# KiCad board poly_kb.kicad_pcb (continued)
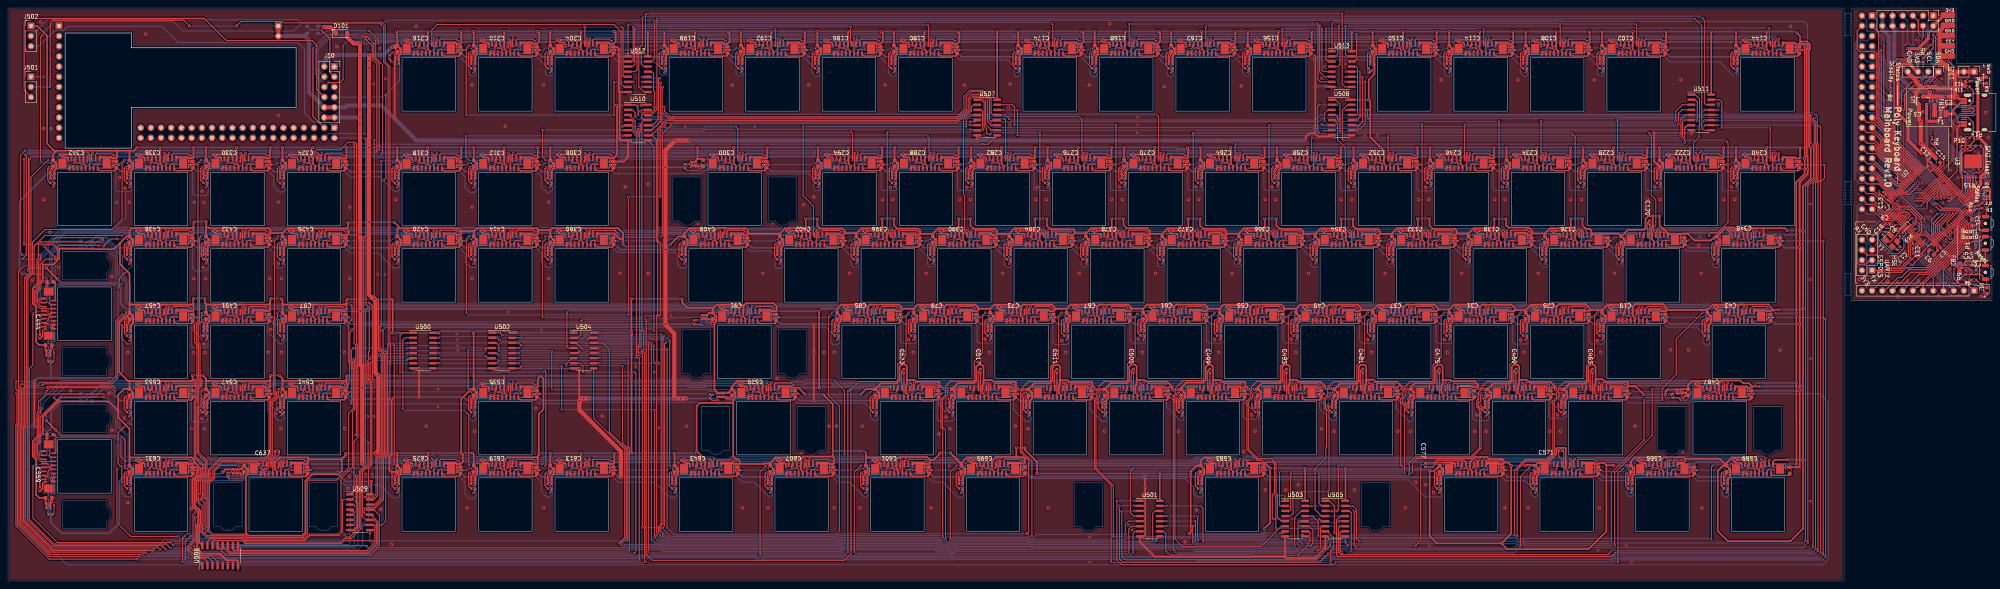
[diagram p0: board, top side]
## Routing (per net, layer and track width the routed paths; a pad name or vN(x,y) marks a point on that pad's centre or on a via; arc(x,y) is an arc through that point) (continued)
  Bottom w0.254: v2(442.11,132.52) 442.13,132.5 445.45,132.5 445.67,132.28 445.67,131.29 445.25,130.87 431.17,130.87 430.84,130.54 430.84,126.53 430.43,126.11 429.58,126.11 426.28,129.42 413.84,129.42 412.33,130.93 412.33,132.28 412.11,132.5 408.79,132.5 v2(408.77,132.52) ; v2(370.67,132.52) 370.69,132.5 374.01,132.5 374.23,132.28 374.23,130.93 375.52,129.65 ; v2(413.53,84.9) 413.55,84.88 416.87,84.88 417.09,84.66 417.09,83.31 418.09,82.31 423.31,82.31 424.59,81.03 424.59,78.77 425.17,78.18 425.88,78.18 426.08,78.38 426.08,82.92 426.41,83.25 440.29,83.25 440.9,83.86 440.9,84.66 440.68,84.88 437.37,84.88 v2(437.35,84.9) ; v2(375.43,84.9) 375.45,84.88 378.77,84.88 378.99,84.66 378.99,83.31 380.32,81.98 ; v2(351.62,132.52) 351.64,132.5 354.96,132.5 355.18,132.28 355.18,130.93 356.58,129.53 ; 355.4,130.72 355.24,130.87 340.68,130.87 340.35,130.54 340.35,126.95 340.05,126.64 339.24,126.64 339.04,126.85 339.04,129.24 338.34,129.94 325.06,129.94 324.06,130.93 324.06,132.28 323.84,132.5 320.53,132.5 v2(320.51,132.52) ; v2(282.41,132.52) 282.43,132.5 285.74,132.5 285.96,132.28 285.96,130.93 287.25,129.65 ; v2(232.4,132.52) 232.42,132.5 235.74,132.5 235.96,132.28 235.96,130.93 236.93,129.97 248.85,129.97 250.62,128.19 250.62,126.16 251,125.78 251.66,125.78 252.09,126.21 252.09,130.54 252.42,130.87 266.98,130.87 267.13,130.72 ; v2(213.35,132.52) 213.37,132.5 216.69,132.5 216.91,132.28 216.91,130.93 218.33,129.51 ; v2(175.25,132.52) 175.27,132.5 178.59,132.5 178.81,132.28 178.81,130.93 179.71,130.03 ; v2(146.83,132.52) 146.85,132.5 150.17,132.5 150.39,132.28 150.39,130.93 151.9,129.42 160.94,129.42 162.25,128.11 162.25,126.59 162.78,126.06 163.68,126.06 163.98,126.36 163.98,130.54 164.31,130.87 178.87,130.87 179.03,130.72 ; v2(108.73,132.52) 108.75,132.5 112.07,132.5 112.29,132.28 112.29,130.93 113.8,129.42 113.8,129.41 114.78,128.43 114.78,126.59 115.32,126.06 116.2,126.06 116.52,126.37 116.52,130.54 116.85,130.87 131.41,130.87 131.56,130.72 ; v2(308.76,103.94) 308.78,103.92 312.1,103.92 312.32,103.71 312.32,102.36 312.74,101.94 312.74,97.93 313.23,97.43 316.23,97.43 316.54,97.75 316.54,101.97 316.87,102.3 331.43,102.3 331.58,102.14 ; v2(289.71,103.94) 289.73,103.92 293.05,103.92 293.27,103.71 293.27,102.36 293.75,101.87 293.75,97.82 294.13,97.43 297.33,97.43 297.49,97.59 297.49,101.97 297.82,102.3 312.38,102.3 312.53,102.14 ; 274.22,102.36 274.22,103.71 274,103.92 270.68,103.92 v2(270.66,103.94) ; v2(184.93,103.94) 184.95,103.92 188.27,103.92 188.49,103.71 188.49,102.36 189.3,101.55 199.34,101.55 200.69,100.2 200.69,97.89 201.22,97.36 201.93,97.36 202.24,97.67 202.24,101.97 202.57,102.3 217.13,102.3 217.28,102.14 ; 26.78,102.14 26.63,102.3 ; v2(337.33,84.9) 337.35,84.88 340.67,84.88 340.89,84.66 340.89,83.31 342.31,81.89 ; 150.61,83.09 150.45,83.25 135.9,83.25 135.57,82.92 135.57,78.9 134.88,78.22 134.13,78.22 132.85,79.5 132.85,81.8 131.34,83.31 131.34,84.66 131.12,84.88 127.8,84.88 v2(127.78,84.9) ; v2(299.23,84.9) 299.25,84.88 302.57,84.88 302.79,84.66 302.79,83.31 304.19,81.91 ; v2(261.13,84.9) 261.15,84.88 264.47,84.88 264.69,84.66 264.69,83.31 266.06,81.94 ; v2(242.08,84.9) 242.1,84.88 245.42,84.88 245.64,84.66 245.64,83.31 246.99,81.96 ; v2(180.17,84.9) 180.19,84.88 183.51,84.88 183.73,84.66 183.73,83.31 184.76,82.27 189.89,82.27 191.03,81.13 191.03,78.31 191.39,77.95 192.4,77.95 192.72,78.27 192.72,82.92 193.05,83.25 207.6,83.25 207.76,83.09 ; 83.93,83.09 83.78,83.25 69.22,83.25 68.89,82.92 68.89,78.9 68.01,78.02 67.18,78.02 66.18,79.01 66.18,81.8 64.67,83.31 64.67,84.66 64.45,84.87 61.13,84.87 v2(61.11,84.89) ; v2(408.77,65.84) 408.79,65.82 412.11,65.82 412.33,65.61 412.33,64.26 413.3,63.29 420.58,63.29 422.1,61.77 422.1,59.51 422.81,58.8 423.39,58.8 423.7,59.11 423.7,59.95 ; v2(434.97,65.84) 434.99,65.82 438.3,65.82 438.52,65.61 438.52,64.79 437.93,64.2 424.03,64.2 423.7,63.87 423.7,59.95 ; 336.13,64.26 336.13,65.61 335.91,65.82 332.59,65.82 v2(332.57,65.84) ; v2(187.32,65.84) 187.34,65.82 190.65,65.82 190.87,65.61 190.87,64.26 191.82,63.32 203.69,63.32 204.89,62.12 204.89,59.45 205.41,58.93 206.58,58.93 207,59.35 207,63.87 207.33,64.2 221.89,64.2 222.05,64.04 ; v2(399.25,46.79) 399.27,46.77 402.58,46.77 402.8,46.56 402.8,45.21 403.6,44.42 418.54,44.42 419.27,45.15 433.32,45.15 433.76,45.59 433.76,46.56 433.54,46.77 430.22,46.77 v2(430.2,46.79) ; 131.34,45.21 131.34,46.56 131.12,46.77 127.8,46.77 v2(127.78,46.79) ; v2(415.92,27.74) 415.94,27.72 419.25,27.72 419.47,27.51 419.47,26.16 420.67,24.96 426.19,24.96 426.9,24.26 426.9,21.54 427.51,20.93 428.09,20.93 428.46,21.3 428.46,25.77 428.79,26.1 438.83,26.1 439.73,27 v2(439.73,27.74) ; 419.69,25.94 419.54,26.1 404.98,26.1 404.65,25.77 404.65,21.9 ; v2(392.1,27.74) 392.12,27.72 395.44,27.72 395.66,27.51 395.66,26.16 396.79,25.03 402.58,25.03 403.17,24.43 403.17,21.64 403.68,21.13 404.24,21.13 404.65,21.54 404.65,21.9 ; v2(368.29,27.74) 368.31,27.72 371.63,27.72 371.85,27.51 371.85,26.16 373.01,25 377.77,25 379.25,23.52 379.25,21.67 379.88,21.03 380.54,21.03 380.84,21.32 380.84,21.88 ; v2(146.83,27.74) 146.85,27.72 150.17,27.72 150.39,27.51 150.39,26.16 151.9,24.65 160.96,24.65 164.79,20.82 165.98,20.82 166.52,21.36 166.52,22.08 ; v2(70.63,27.74) 70.65,27.72 73.97,27.72 74.19,27.51 74.19,26.16 74.8,25.55 82.18,25.55 83.79,23.94 92.58,23.94 95.78,20.74 96.95,20.74 97.47,21.26 97.47,25.77 97.8,26.1 112.35,26.1 112.51,25.94 ; 45.83,25.94 45.68,26.1 31.12,26.1 30.79,25.77 30.79,21.5 30.35,21.06 29.26,21.06 28.32,22 v2(28.32,24.65) ; 181.57,25.94 181.41,26.1 166.85,26.1 166.52,25.77 166.52,22.08 ; v2(10.35,70.62) 10.35,72.26 11.83,73.75 ; 11.83,73.75 11.95,73.86 26.61,73.86 v2(27.39,73.08) 27.39,64.67 v2(28.32,63.74) ; 11.83,73.75 11.7,73.88 v2(11.7,80.84) ; v2(127.79,132.52) 127.81,132.5 131.12,132.5 131.34,132.28 131.34,130.93 132.85,129.42 132.85,129.41 133.83,128.43 133.83,126.59 ; v2(265.9,46.79) 265.92,46.77 269.23,46.77 269.44,46.57 269.44,45.16 ; 205.38,25.94 205.22,26.1 190.67,26.1 190.34,25.77 190.34,21.91 ; 297.49,22.08 297.49,21.39 297.08,20.98 296.06,20.98 295.61,21.43 295.6,21.43 295.2,21.83 295.2,23.47 293.12,25.55 283.52,25.55 283.4,25.43 282.59,25.43 282.47,25.55 254.3,25.55 252.54,27.31 252.39,27.31 252.36,27.33 249.64,27.33 v2(249.23,27.74) ; 297.49,22.08 297.49,21.75 ; 297.49,22.08 297.49,25.77 297.77,26.05 302.1,26.05 302.15,26.1 312.38,26.1 312.53,25.94 ; 231.35,45.15 231.35,45.15 216.86,45.15 216.53,44.82 216.53,40.43 216.2,40.11 215.6,40.11 214.76,40.94 214.76,42.98 213.4,44.33 196.51,44.33 195.64,45.21 195.64,46.56 195.42,46.77 192.1,46.77 v2(192.08,46.79) ; 231.35,45.15 231.35,40.43 231.93,39.85 235.03,39.85 235.53,40.36 235.53,45.03 235.65,45.15 250.47,45.15 250.62,44.99 ; 231.35,45.15 231.35,46.56 231.13,46.77 227.82,46.77 v2(227.8,46.79) ; v2(351.62,65.84) 351.64,65.82 354.96,65.82 355.18,65.61 355.18,64.26 355.6,63.84 355.6,59.69 356.08,59.21 359.08,59.21 359.4,59.53 359.4,63.87 359.73,64.2 374.29,64.2 374.45,64.04 ; 369.68,102.14 369.53,102.3 354.97,102.3 354.64,101.97 354.64,97.72 354.2,97.28 351.23,97.28 350.88,97.64 350.88,101.9 350.42,102.36 350.42,103.71 350.2,103.92 346.88,103.92 v2(346.86,103.94) ; 383.73,45.02 383.61,45.15 368.97,45.15 368.65,44.82 368.65,40.35 368.27,39.98 365.4,39.98 364.7,40.68 364.7,45.15 ; 383.73,45.02 383.73,46.47 383.43,46.77 380.22,46.77 v2(380.2,46.79) ; 383.73,45.02 383.73,40.95 384.21,40.48 387.34,40.48 388.02,41.16 388.02,45.1 388.07,45.15 402.87,45.15 403.02,44.99 ; v2(213.51,103.94) 213.53,103.92 216.85,103.92 217.07,103.71 217.07,102.36 217.42,102 217.42,97.69 217.75,97.36 220.98,97.36 221.29,97.67 221.29,101.97 221.62,102.3 236.18,102.3 236.33,102.14 ; v2(256.37,65.84) 256.39,65.82 259.71,65.82 259.93,65.61 259.93,64.26 ; v2(318.28,84.9) 318.3,84.88 321.62,84.88 321.84,84.66 321.84,83.31 324.43,80.72 324.43,78.77 324.89,78.31 325.7,78.31 326.07,78.67 326.07,82.92 326.4,83.25 340.95,83.25 341.11,83.09 ; v2(194.3,132.52) 194.32,132.5 197.64,132.5 197.86,132.28 197.86,130.93 200.13,128.67 200.13,126.9 201.12,125.91 201.83,125.91 202.08,126.16 202.08,130.54 202.41,130.87 216.97,130.87 217.13,130.72 ; 269.44,45.16 269.42,45.14 268.67,45.14 268.66,45.15 255.18,45.15 254.63,44.6 254.63,40.25 254.18,39.8 253.34,39.8 250.39,42.75 250.39,46.57 250.18,46.77 246.87,46.77 v2(246.85,46.79) ; 269.44,45.16 269.44,42.75 272.29,39.9 273.28,39.9 273.48,40.11 273.48,44.75 273.87,45.15 288.48,45.15 288.48,45.15 ; 246.99,81.96 248.03,80.92 248.03,78.94 248.74,78.23 249.48,78.23 249.87,78.62 249.87,82.92 250.2,83.25 264.75,83.25 264.91,83.09 ; 246.99,81.96 247.15,81.8 ; 404.65,21.9 404.65,21.75 ; 112.51,83.09 112.35,83.25 97.8,83.25 97.47,82.92 97.47,78.44 97.1,78.07 95.9,78.07 92.17,81.8 85.23,81.8 83.72,83.31 83.72,84.66 83.5,84.87 80.18,84.87 v2(80.16,84.89) ; 350.63,102.14 350.48,102.3 335.92,102.3 335.59,101.97 335.59,97.62 335.31,97.33 332.21,97.33 331.77,97.76 331.77,101.95 331.37,102.36 331.37,103.37 331.36,103.38 331.36,103.72 331.15,103.92 327.83,103.92 v2(327.81,103.94) ; 195.85,44.99 195.7,45.15 181.14,45.15 180.81,44.82 180.8,44.82 180.57,44.58 180.54,44.58 180.41,44.46 177.38,44.46 177.1,44.18 176.56,44.18 176.27,44.47 176.27,44.53 142.9,44.53 142.6,44.23 132.32,44.23 131.4,45.15 ; 356.58,129.53 357.73,128.38 357.73,126.59 358.42,125.91 358.98,125.91 359.4,126.33 359.4,130.54 359.73,130.87 374.29,130.87 374.45,130.72 ; 356.58,129.53 356.69,129.42 ; 83.93,102.09 83.78,102.25 69.22,102.25 68.89,101.92 68.89,97.38 68.5,96.99 67.48,96.99 66.18,98.29 66.18,100.85 64.67,102.36 64.67,103.71 64.45,103.92 61.13,103.92 v2(61.11,103.94) ; v2(108.73,27.74) 108.75,27.72 112.07,27.72 112.29,27.51 112.29,26.16 113.8,24.65 113.8,21.63 114.83,20.61 115.97,20.61 116.52,21.16 116.52,25.77 116.85,26.1 131.4,26.1 131.56,25.94 ; 64.67,45.21 64.6,45.15 50.02,45.15 49.68,44.81 49.68,40.03 49.28,39.62 46.1,39.62 45.62,40.11 45.62,45.21 ; 64.67,45.21 64.67,42.68 67.28,40.07 68.17,40.07 68.68,40.58 68.68,44.75 69.07,45.15 83.78,45.15 83.93,44.99 ; 64.67,45.21 64.67,46.56 64.45,46.77 61.13,46.77 v2(61.11,46.79) ; v2(237.32,65.84) 237.34,65.82 240.66,65.82 240.88,65.61 240.88,64.26 241.3,63.84 241.3,59.69 241.63,59.36 244.78,59.36 245.1,59.68 245.1,63.87 245.43,64.2 259.99,64.2 260.15,64.04 260.15,59.64 260.83,58.95 263.73,58.95 264.15,59.38 264.15,63.87 264.48,64.2 279.04,64.2 279.2,64.04 ; 283.96,83.09 283.8,83.25 269.25,83.25 268.92,82.92 268.92,78.85 268.43,78.36 267.72,78.36 267.31,78.77 267.31,80.69 266.06,81.94 ; v2(42.06,65.84) 42.08,65.82 45.4,65.82 45.62,65.61 45.62,58.6 46.02,58.19 49.5,58.19 49.81,58.5 49.81,63.91 50.1,64.2 55.04,64.2 55.05,64.21 55.31,64.21 55.31,64.21 64.71,64.21 64.88,64.04 ; 188.71,102.14 188.55,102.3 173.44,102.3 172.72,101.57 151.18,101.57 150.39,102.36 150.39,103.71 150.17,103.92 146.85,103.92 v2(146.83,103.94) ; 305.23,130.72 305.08,130.87 290.52,130.87 290.19,130.54 290.19,126.26 289.81,125.88 289.15,125.88 288.62,126.42 288.62,128.28 287.25,129.65 ; v2(423.06,103.94) 423.08,103.92 426.4,103.92 426.62,103.71 426.62,102.36 426.9,102.08 426.9,97.54 427.13,97.31 430.48,97.31 430.84,97.67 430.84,101.97 431.17,102.3 445.35,102.3 445.67,102.61 445.67,103.71 445.45,103.92 442.13,103.92 v2(442.11,103.94) ; 304.19,81.91 305.38,80.72 305.38,79.12 306.12,78.38 306.76,78.38 307.02,78.65 307.02,82.92 307.35,83.25 321.9,83.25 322.06,83.09 ; 304.19,81.91 304.3,81.8 ; 379.21,83.09 379.05,83.25 364.5,83.25 364.17,82.92 364.17,78.7 363.88,78.41 363.22,78.41 362.89,78.74 362.89,80.36 359.94,83.31 359.94,84.66 359.72,84.88 356.4,84.88 v2(356.38,84.9) ; 218.33,129.51 218.42,129.42 ; 218.33,129.51 219.3,128.54 219.3,126.62 219.99,125.93 220.8,125.93 221.13,126.26 221.13,130.54 221.46,130.87 236.02,130.87 236.18,130.72 ; 326.6,45.06 326.51,45.15 311.82,45.15 311.68,45.01 311.68,40.72 311.3,40.34 308.15,40.34 307.55,40.93 307.55,45.15 ; 326.6,45.06 326.6,43.08 329.51,40.16 330.48,40.16 330.78,40.46 330.78,44.91 331.02,45.15 345.58,45.15 345.65,45.22 ; 326.6,45.06 326.6,46.56 326.38,46.77 323.07,46.77 v2(323.05,46.79) ; v2(146.83,84.9) 146.99,84.74 150.31,84.74 150.39,84.66 150.39,83.31 151.74,81.97 166.09,81.97 166.79,81.27 166.79,78.81 167.01,78.58 167.04,78.58 167.61,78 168.5,78 168.9,78.4 168.9,82.92 169.23,83.25 183.79,83.25 183.95,83.09 ; 287.25,129.65 287.48,129.42 ; v2(80.16,103.9) 80.18,103.88 83.5,103.88 83.72,103.66 83.72,102.31 85.23,100.8 92.55,100.8 93.54,99.81 93.53,99.81 v2(93.52,99.82) 96.16,97.19 97.1,97.19 97.47,97.56 97.47,101.92 97.8,102.25 112.35,102.25 112.51,102.09 ; 29.29,97.09 27.27,97.09 26.85,97.51 26.85,102.08 26.57,102.36 26.57,103.71 26.35,103.92 23.03,103.92 v2(23.01,103.94) ; 29.29,97.09 30.33,97.09 30.79,97.55 30.79,101.97 31.12,102.3 45.68,102.3 45.83,102.14 ; 29.29,97.09 29.29,90.6 26.49,87.8 13.15,87.8 9.09,83.73 v2(9.09,83.3) ; v2(280.18,84.9) 280.2,84.88 283.52,84.88 283.74,84.66 283.74,83.31 286.23,80.82 286.23,78.82 286.72,78.33 287.65,78.33 287.97,78.65 287.97,82.92 288.3,83.25 302.85,83.25 303.01,83.09 ; v2(223.03,84.9) 223.05,84.88 226.37,84.88 226.59,84.66 226.59,83.31 228.88,81.02 228.88,79.04 229.49,78.44 230.53,78.44 230.82,78.72 230.82,82.92 231.15,83.25 245.7,83.25 245.86,83.09 ; 45.62,45.21 45.62,46.15 45.51,46.26 42.59,46.26 v2(42.06,46.79) ; 45.62,45.21 45.54,45.14 31.11,45.14 30.79,44.82 30.79,40.32 v2(28.77,38.29) ; 364.7,45.15 350.02,45.15 349.88,45 349.88,40.25 349.43,39.8 348.82,39.8 345.65,42.97 345.65,45.22 ; 364.7,45.15 364.7,46.29 364.61,46.38 364.29,46.38 363.87,46.79 v2(361.15,46.79) ; v2(10.36,32.54) 10.36,34.17 11.92,35.74 26.65,35.74 v2(27.39,35) v2(27.39,30.44) ; 131.4,45.15 116.85,45.15 116.52,44.82 116.52,40.46 116.02,39.97 115.59,39.97 115.13,40.42 115.13,43.01 113.96,44.18 v2(85.26,44.18) 85.26,45.01 83.61,46.66 80.29,46.66 v2(80.16,46.79) ; 131.4,45.15 131.56,44.99 ; 380.32,81.98 381.71,80.59 381.71,78.92 382.35,78.28 382.93,78.28 383.22,78.57 383.22,82.92 383.55,83.25 398.1,83.25 398.26,83.09 ; 380.32,81.98 380.5,81.8 ; 190.34,21.91 190.34,21.75 ; 190.34,21.91 190.34,21.42 190.09,21.17 189.3,21.17 185.82,24.65 182.86,24.65 181.35,26.16 181.35,27.51 181.13,27.72 177.81,27.72 v2(177.79,27.74) ; 388.73,102.14 388.58,102.3 374.02,102.3 373.69,101.97 373.69,97.67 373.38,97.36 370.2,97.36 369.77,97.79 369.77,102.05 369.47,102.36 369.47,103.71 369.25,103.92 365.93,103.92 v2(365.91,103.94) ; 423.7,59.95 423.7,59.85 ; 179.71,130.03 180.32,129.42 ; 179.71,130.03 181.3,128.44 181.3,126.59 181.83,126.06 182.73,126.06 183.03,126.36 183.03,130.54 183.36,130.87 197.92,130.87 198.08,130.72 ; 307.55,45.15 307.55,46.56 307.33,46.77 304.02,46.77 v2(304,46.79) ; 307.55,45.15 293,45.15 292.74,44.88 292.74,40.31 292.51,40.08 291.77,40.08 288.48,43.37 288.48,45.15 ; v2(29.05,76.75) 30.79,78.49 30.79,82.92 31.12,83.25 45.68,83.25 45.83,83.09 ; 286.03,130.87 271.47,130.87 271.14,130.54 271.14,126.06 270.94,125.86 270.03,125.86 269.47,126.42 269.47,128.38 266.91,130.93 266.91,132.28 266.69,132.5 263.38,132.5 v2(263.36,132.52) ; v2(275.42,65.84) 275.44,65.82 278.76,65.82 278.98,65.61 278.98,64.26 279.4,63.84 279.4,59.94 279.98,59.36 282.91,59.36 283.2,59.66 283.2,63.87 283.53,64.2 298.09,64.2 298.25,64.04 ; v2(42.06,27.74) 42.08,27.72 45.4,27.72 45.61,27.51 45.61,26.17 46.74,25.03 58.46,25.03 59.53,26.1 74.25,26.1 74.41,25.94 ; 64.88,102.14 64.73,102.3 50.17,102.3 49.84,101.97 49.84,96.76 49.23,96.14 46.56,96.14 45.97,96.72 45.97,102 45.62,102.36 45.62,103.71 45.4,103.92 42.08,103.92 v2(42.06,103.94) ; v2(61.11,65.84) 61.18,65.77 64.5,65.77 64.65,65.62 64.65,62.1 67.58,59.17 68.21,59.17 69.22,60.18 69.22,64.2 83.78,64.2 83.93,64.04 ; 288.48,45.15 288.48,46.47 288.18,46.77 284.97,46.77 v2(284.95,46.79) ; 131.56,102.09 131.4,102.25 116.85,102.25 116.52,101.92 116.52,97.26 116.1,96.84 115.13,96.84 113.8,98.16 113.8,100.8 112.29,102.31 112.29,103.66 112.07,103.88 108.75,103.88 v2(108.73,103.9) ; 342.31,81.89 343.51,80.69 343.51,78.92 344.04,78.38 344.81,78.38 345.12,78.7 345.12,82.92 345.45,83.25 360,83.25 360.16,83.09 ; 342.31,81.89 342.4,81.8 ; 253,25.94 252.85,26.1 238.29,26.1 237.96,25.77 237.96,21.3 237.46,20.8 236.63,20.8 232.78,24.65 230.49,24.65 228.97,26.16 228.97,27.51 228.75,27.72 225.44,27.72 v2(225.42,27.74) ; 375.52,129.65 376.68,128.48 376.68,126.8 377.62,125.86 378.05,125.86 378.45,126.26 378.45,130.54 378.78,130.87 393.34,130.87 393.5,130.72 ; 375.52,129.65 375.74,129.42 ; 393.5,64.04 393.34,64.2 378.78,64.2 378.45,63.87 378.45,59.58 377.95,59.08 375.26,59.08 374.65,59.69 374.65,63.84 374.23,64.26 374.23,65.61 374.01,65.82 370.69,65.82 v2(370.67,65.84) ; 131.56,83.09 131.4,83.25 116.85,83.25 116.52,82.92 116.52,78.49 116.22,78.19 115.08,78.19 113.8,79.47 113.8,81.8 112.29,83.31 112.29,84.66 112.2,84.75 108.88,84.75 v2(108.73,84.9) ; v2(127.78,103.9) 127.8,103.88 131.12,103.88 131.34,103.66 131.34,102.31 132.85,100.8 132.85,98.22 134.28,96.79 134.84,96.79 135.57,97.51 135.57,101.97 135.9,102.3 150.45,102.3 150.61,102.14 ; 324.28,130.72 324.13,130.87 309.57,130.87 309.24,130.54 309.24,126.33 308.94,126.03 308.2,126.03 307.39,126.85 307.39,128.56 305.01,130.93 305.01,132.28 304.79,132.5 301.48,132.5 v2(301.46,132.52) ; 191.09,64.04 190.94,64.2 176.38,64.2 176.05,63.87 176.03,63.87 175.49,63.32 158.33,63.32 158.08,63.58 86.6,63.58 v2(85.62,62.6) 83.72,64.5 83.72,65.61 83.62,65.71 80.27,65.71 v2(80.17,65.81) ; 345.65,45.22 345.65,46.56 345.43,46.77 342.12,46.77 v2(342.1,46.79) ; v2(42.06,84.89) 42.08,84.87 45.4,84.87 45.62,84.66 45.62,83.31 45.97,82.95 45.97,77.98 46.63,77.32 49.28,77.32 49.84,77.88 49.84,82.82 50.27,83.25 64.73,83.25 64.88,83.09 ; 266.06,81.94 266.2,81.8 ; 355.4,64.04 355.24,64.2 340.68,64.2 340.35,63.87 340.35,59.79 339.88,59.31 337.19,59.31 336.55,59.94 336.55,63.84 336.19,64.2 321.63,64.2 321.3,63.87 321.3,59.66 321.01,59.36 318.08,59.36 317.5,59.94 317.5,63.84 317.08,64.26 317.08,65.61 316.86,65.82 313.54,65.82 v2(313.52,65.84) ; 229.19,25.94 229.04,26.1 214.48,26.1 214.15,25.77 214.15,21.46 213.66,20.98 213.18,20.98 209.52,24.65 206.67,24.65 205.16,26.16 205.16,27.51 204.94,27.72 201.62,27.72 v2(201.6,27.74) ; 380.84,21.88 380.84,21.75 ; 380.84,21.88 380.84,25.68 381.26,26.1 395.72,26.1 395.88,25.94 ; v2(384.96,103.94) 384.98,103.92 388.3,103.92 388.52,103.71 388.52,102.36 388.85,102.03 388.85,97.74 389.23,97.36 392.33,97.36 392.74,97.77 392.74,101.97 393.07,102.3 407.63,102.3 407.78,102.14 ; v2(294.47,65.84) 294.49,65.82 297.81,65.82 298.03,65.61 298.03,64.26 298.45,63.84 298.45,59.94 299.08,59.31 301.98,59.31 302.25,59.58 302.25,63.87 302.58,64.2 317.14,64.2 317.3,64.04 ; 255.38,102.14 255.23,102.3 240.67,102.3 240.34,101.97 240.34,97.67 240.08,97.41 236.75,97.41 236.42,97.74 236.42,102.05 236.12,102.36 236.12,103.71 235.9,103.92 232.58,103.92 v2(232.56,103.94) ; v2(389.72,65.84) 389.74,65.82 393.06,65.82 393.28,65.61 393.28,64.26 393.7,63.84 393.7,59.69 394.28,59.11 397.15,59.11 397.5,59.46 397.5,63.87 397.83,64.2 412.39,64.2 412.55,64.04 ; 426.83,102.14 426.68,102.3 412.12,102.3 411.79,101.97 411.79,97.72 411.43,97.36 408.13,97.36 407.82,97.66 407.82,102.1 407.57,102.36 407.57,103.71 407.35,103.92 404.03,103.92 v2(404.01,103.94) ; 166.52,22.08 166.52,21.75 ; 226.81,83.09 226.65,83.25 212.1,83.25 211.77,82.92 211.77,78.57 211.45,78.26 210.62,78.26 209.96,78.92 209.96,80.89 207.54,83.31 207.54,84.66 207.32,84.88 204,84.88 v2(203.98,84.9) ; v2(394.48,84.9) 394.5,84.88 397.82,84.88 398.04,84.66 398.04,83.31 400.66,80.69 400.66,79.1 401.35,78.41 401.85,78.41 402.27,78.82 402.27,82.92 402.6,83.25 417.15,83.25 417.31,83.09 ; 150.61,25.94 150.45,26.1 135.9,26.1 135.57,25.77 135.57,21.75 134.73,20.92 134.21,20.92 133.69,21.43 133.67,21.43 132.85,22.25 132.85,24.65 131.34,26.16 131.34,27.51 131.2,27.64 127.89,27.64 v2(127.78,27.74) ; v2(218.27,65.84) 218.29,65.82 221.61,65.82 221.83,65.61 221.83,64.26 222.25,63.84 222.25,59.69 222.68,59.26 225.68,59.26 226.05,59.63 226.05,63.87 226.38,64.2 240.94,64.2 241.1,64.04 ; 150.61,130.72 150.45,130.87 135.9,130.87 135.57,130.54 135.57,126.37 135.25,126.06 134.3,126.06 133.83,126.53 ; 45.68,64.2 31.16,64.2 30.78,63.82 30.78,59.53 30.33,59.09 v2(29.69,59.09) ; 412.55,130.72 412.39,130.87 397.83,130.87 397.5,130.54 397.5,126.53 397.03,126.06 396.24,126.06 395.77,126.53 395.77,128.44 394.79,129.42 393.28,130.93 393.28,132.28 393.06,132.5 389.74,132.5 v2(389.72,132.52) ; 112.51,130.72 112.35,130.87 97.8,130.87 97.47,130.54 97.47,124.7 v2(94.08,121.32) 93.42,120.65 J10.7 ; v2(251.61,103.94) 251.63,103.92 254.95,103.92 255.17,103.71 255.17,102.36 255.5,102.03 255.5,97.69 255.8,97.38 259.11,97.38 259.39,97.67 259.39,101.97 259.72,102.3 274.28,102.3 274.5,102.08 274.5,97.89 274.98,97.41 278.03,97.41 278.44,97.82 278.44,101.97 278.77,102.3 293.33,102.3 293.48,102.14 ; v2(308.76,27.74) 308.78,27.72 312.1,27.72 312.32,27.51 312.32,26.16 313.24,25.23 343.74,25.23 343.75,25.22 348.67,25.22 352.91,20.98 356.67,20.98 357.02,21.34 357.02,25.71 357.41,26.1 371.91,26.1 372.07,25.94
SHIFTR_CLK: length 966
  Top w0.25: v2(156.48,55.61) 156.48,110.52 156.87,110.91 156.87,112.64 v2(156.85,112.65) ; U512.11 159.29,124.43 v2(157.94,124.43) ; U510.11 160.28,112.4 v2(160.64,112.76) 160.64,112.76 v2(162.03,114.15) 162.43,114.55 162.43,124.05 v2(162.53,124.16) ; v2(127.17,55.64) 127.1,55.56 U502.11 ; U504.11 147.29,55.56 v2(147.31,55.59) ; U506.11 54.73,7.84 55.37,7.2 89.6,7.2 91.71,9.32 91.71,14.6 91.08,15.24 U509.11 89.13,15.24 88.23,16.14 88.23,27.11 90.22,29.1 90.22,49.56 89.72,50.07 89.72,54.07 89.61,54.17 89.61,54.97 v2(90.08,55.44) 89.77,55.76 89.77,57.11 89.95,57.29 89.95,68.16 89.14,68.97 89.14,110.19 v2(88.96,110.37) ; v2(107.36,55.56) U500.11
  Top w0.254: v2(337.26,125.7) 337.26,114.45 v2(336.16,113.36) 335.85,113.67 U508.11 ; U505.11 332.98,13.67 v2(331.67,13.67) 331.27,13.26 331.27,7.14 331.84,6.57 398.32,6.57 v2(399.01,7.26) ; v2(324.3,8.76) 324.92,9.37 324.92,12.7 323.97,13.65 U503.11 321.78,13.65 v2(321.77,13.67) ; v2(422.45,114.81) 422.59,114.94 U511.11 424.2,114.86 v2(425.6,114.86) ; U501.11 288.4,13.65 v2(288.47,13.72) ; U507.11 244.79,113.67 v2(244.78,113.67) 243.94,114.5 243.94,119.79 242.34,121.39 240.03,121.39 239.09,120.45 239.09,117.49 236.38,114.78 163.8,114.78 v2(163.5,114.48) ; U513.11 334.55,125.7 v2(333.12,125.7) ; v2(295.05,9.64) 294.98,9.71 294.98,13.61 v2(295.14,13.77) ; v2(449.98,114.66) 450.14,114.5 450.14,109.09 450.34,108.89 450.34,100.08 449.45,99.19 v2(449.45,8.51)
  Top w0.292: v2(466.46,132.36) 466.46,116.02 469.36,113.12 469.36,109.4 U2.78
  Bottom w0.25: v2(90.08,55.44) 90.21,55.56 v2(107.36,55.56) 107.66,55.26 121.75,55.26 122.13,55.64 v2(127.17,55.64) 147.26,55.64 v2(147.31,55.59) 147.34,55.61 v2(156.48,55.61) ; v2(160.64,112.76) 160.53,112.65 v2(156.85,112.65) ; v2(88.96,110.37) 88.83,110.49 J12.2 ; v2(162.53,124.16) 162.26,124.43 v2(157.94,124.43)
  Bottom w0.254: v2(288.47,13.72) 295.09,13.72 v2(295.14,13.77) ; v2(295.05,9.64) 295.15,9.55 295.47,9.55 296.14,8.88 311.8,8.88 312.11,9.19 321.23,9.19 321.67,8.76 v2(324.3,8.76) ; v2(337.26,125.7) v2(333.12,125.7) ; v2(244.78,113.67) 245.36,113.09 324.62,113.09 324.75,113.21 335.59,113.21 335.73,113.36 v2(336.16,113.36) 362.98,113.36 363.11,113.48 415.66,113.48 415.73,113.41 421.05,113.41 v2(422.45,114.81) ; v2(321.77,13.67) 321.77,13.67 v2(331.67,13.67) ; v2(425.6,114.86) 449.78,114.86 v2(449.98,114.66) ; v2(162.03,114.15) 162.36,114.48 v2(163.5,114.48) ; v2(399.01,7.26) 399.29,7.54 448.49,7.54 v2(449.45,8.51)
  Bottom w0.292: J7.2 462.84,139.77 462.84,137.34 463.09,137.09 464.76,137.09 466.46,135.39 v2(466.46,132.36)
SHIFTR_DATA: length 331.4
  Top w0.292: v2(335.84,136.35) 335.84,130.02 335.36,129.55 U513.14 ; J7.3 465.8,136.81 465.8,132.05 465.87,131.98 465.87,115.38 468.86,112.39 468.86,109.19 U2.79 ; J12.3 75.92,115.85 v2(75.92,132.83)
  Bottom w0.292: 78.59,113.03 J12.3 ; v2(75.92,132.83) 79.44,136.35 v2(335.84,136.35)
